# Altium PCB MB V7.PcbDoc (part 1 of 3) (continued)
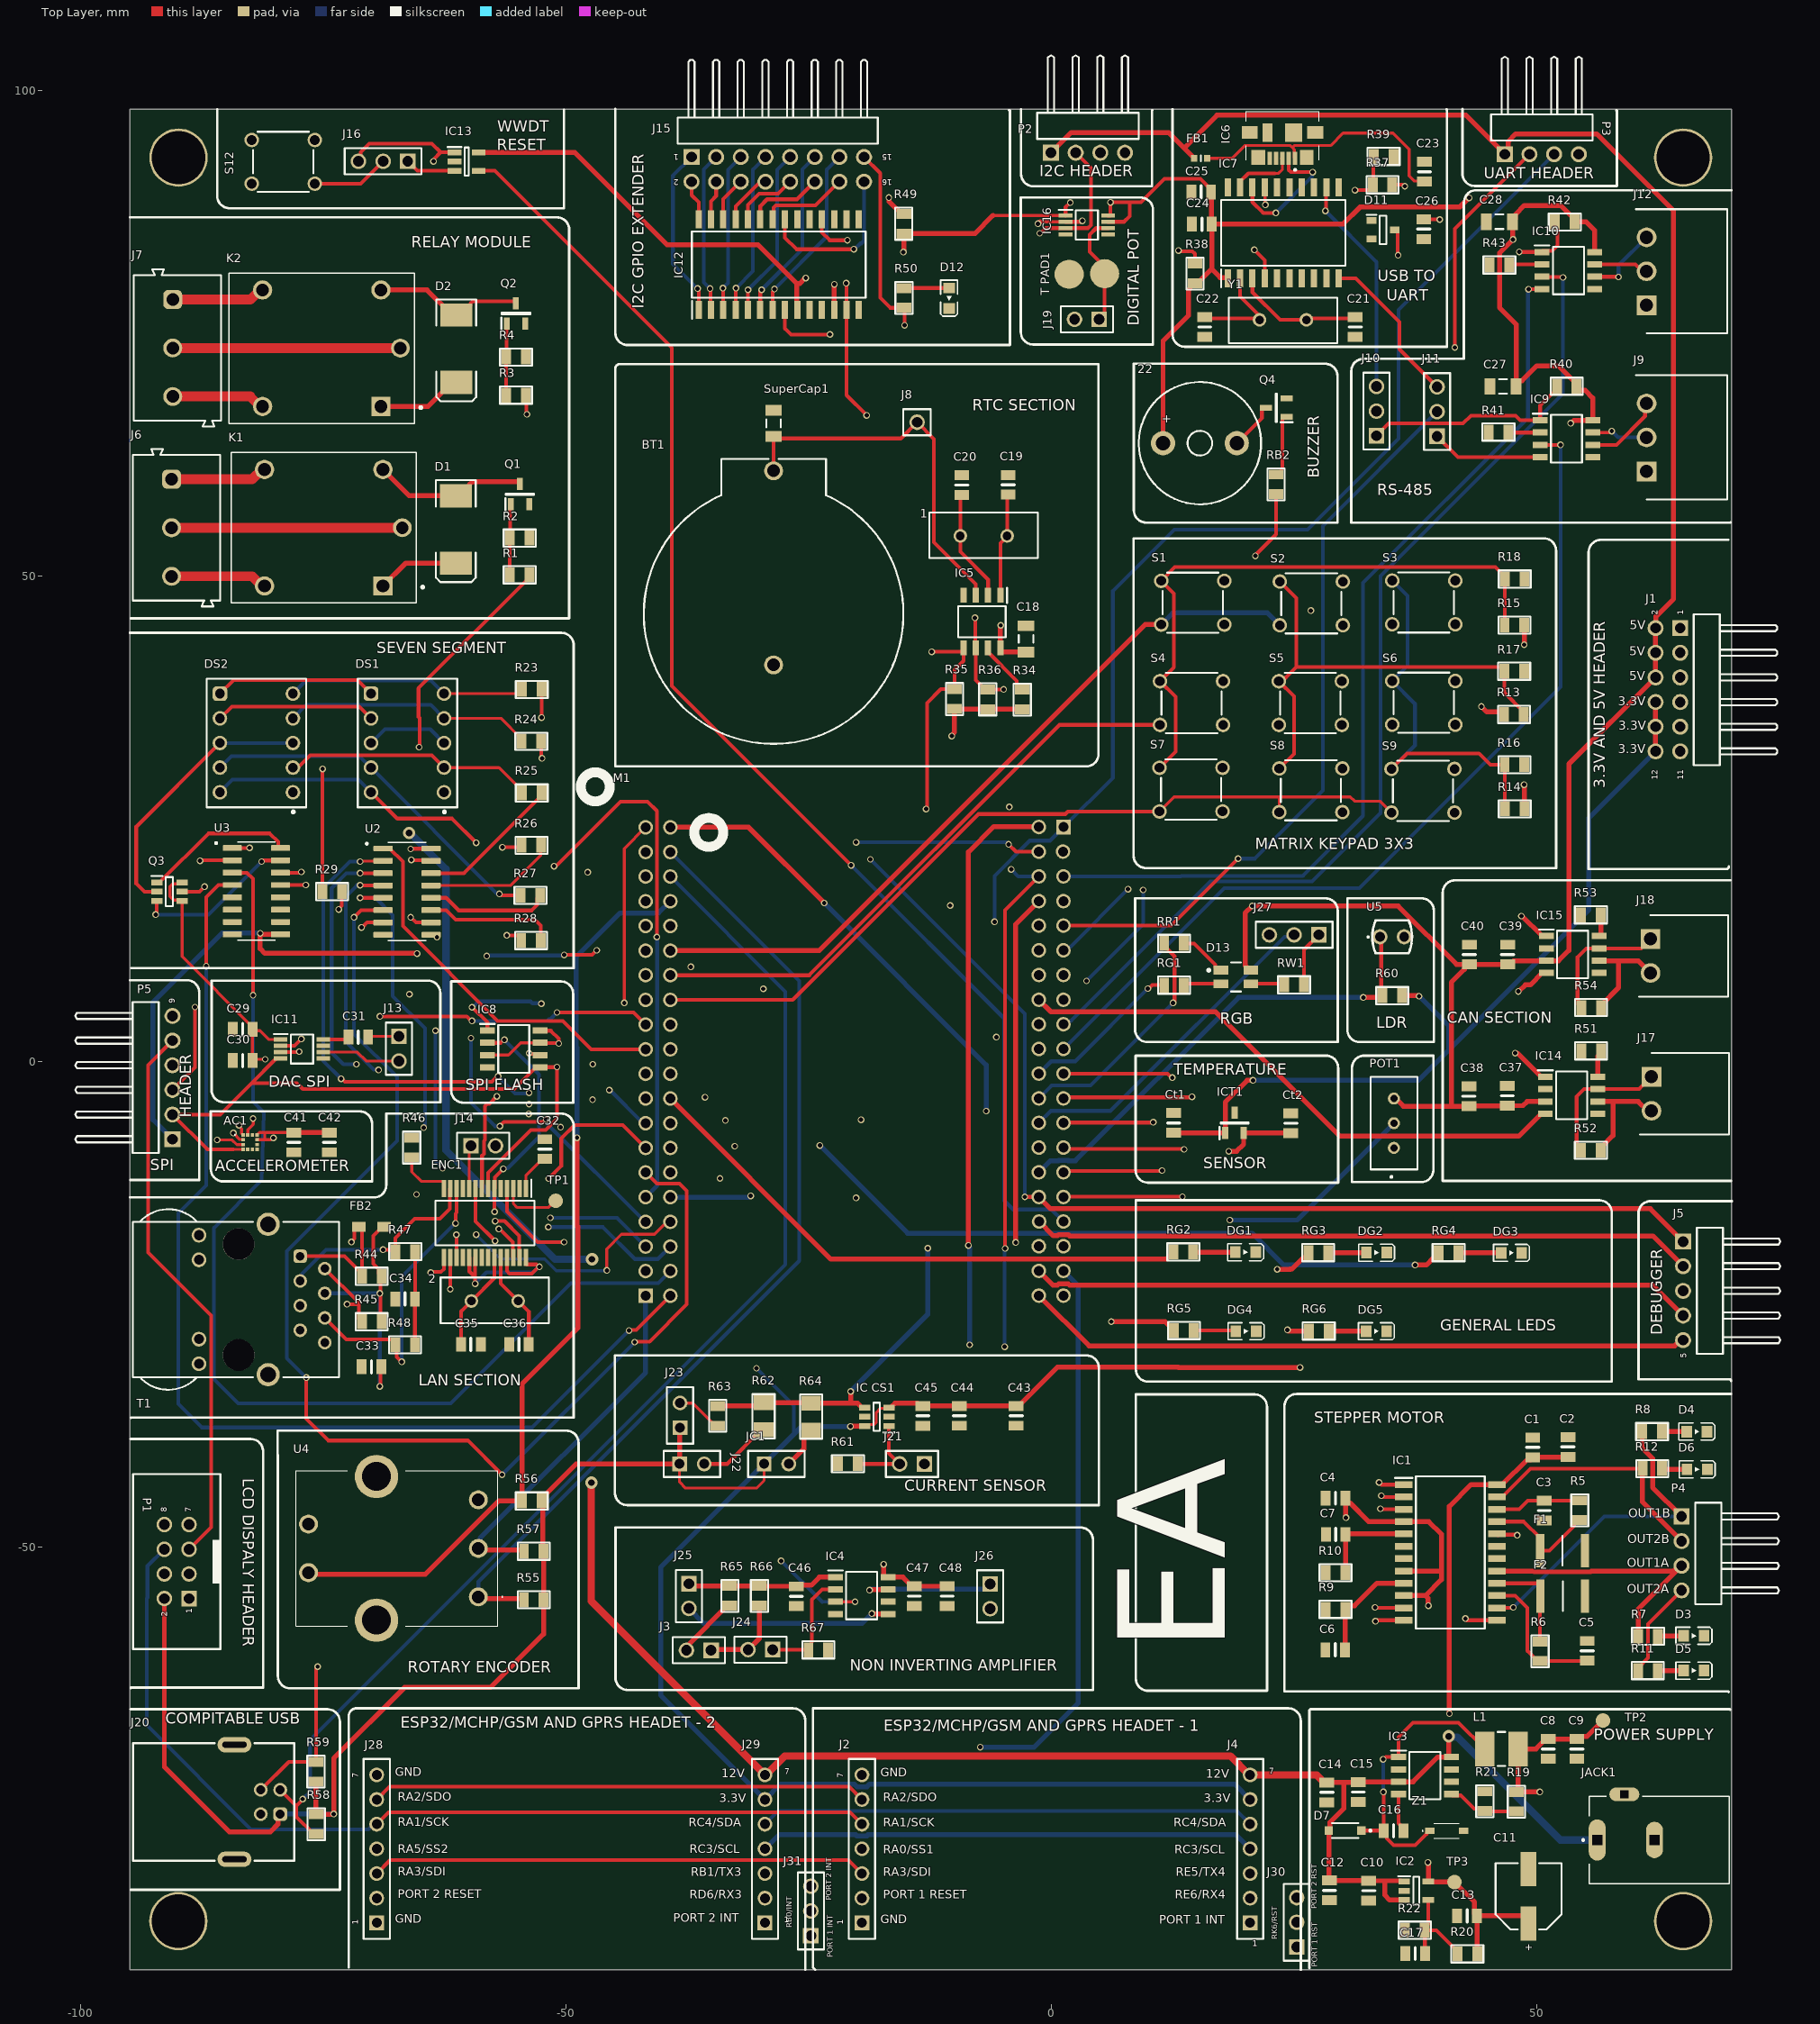
[diagram p0: Top Layer view]
## Part data
1 2 Y1: library part "Mini Crystal", "9B-64.000MBBK-B", Freq. Stability="+/- 30 ppm", Frequency="4.096 MHz", Load Capacitance="18 pF", Manufacturer=Abracon, Operating Temp. Range="-40 to 85 degC", PartNumber=ABLS2-4.096MHZ-D4Y-T, Shunt Capacitance="7 pF Max.", ComponentLink1Description="Manufacturer URL", ComponentLink1URL=http://www.abracon.com/, ComponentLink2Description=Datasheet, ComponentLink2URL=http://www.abracon.com/Resonators/ABLS2.pdf, DatasheetVersion="Rev. 03.31.11", ESR="180 Ohm", Freq. Tolerance="+/- 30 ppm", Mounting Technology="Surface Mount", Operation Mode="Fundamental or 3rd Overtone", PackageDescription="2-Pin SMD, Body 11.4 x 4.7 mm, Height 3.3 mm", PackageReference=ABLS2-2, Packing="Tape and Reel", RoHS=TRUE
22: library part Buzzer, "Buzzer 2.3khz 4-6vdc Pcb Wash", Package="Soberton Inc.", Availability=Unavailable, MF="Soberton Inc.", MP=WST-1205S, Price=None, SnapEDA_Link=https://www.snapeda.com/parts/WST-1205S/Soberton%20Inc./view-part/?ref=snap
AC1: "Accelerometer", Manufacturer_Name=STMicroelectronics, Mouser Part Number=511-LIS2DE12TR, Arrow Part Number=LIS2DE12TR, Arrow Price/Stock=https://www.arrow.com/en/products/lis2de12tr/stmicroelectronics, Datasheet Link=https://www.mouser.co.uk/datasheet/2/389/dm00153214-1798409.pdf, Height=1mm, Manufacturer_Part_Number=LIS2DE12TR, Mouser Price/Stock=https://www.mouser.co.uk/ProductDetail/STMicroelectronics/LIS2DE12TR?qs=e%2Fel81Nv5iw4m6D8fXXMWA%3D%3D
BT1: "WA-BCPH Battery Holder, THT, battery type 2450", Manufacturer="Wurth Elektronik", Operating Temperature Max=105°C, Operating Temperature Min=-40°C, Battery Type=2450, Category="Battery Holders", ComponentLink1Description="Website Link", ComponentLink1URL=https://www.we-online.com/redexpert/article/79578211?ad, ComponentLink2Description="Datasheet Link", ComponentLink2URL=https://www.we-online.com/redexpert/spec/79578211?ad, Manufacturer Part Number=79578211, Match Code=WA-BCPH, Mount="Through Hole", Packaging=Bag
C1 C4 C10 C13 C19 C20 C21 C22 C23 C24 C25 C26 C29 C30 C31 C32 C33 C34 C35 C36 C37 C38 C39 C40 C41 C42 C43 C44 C45 C47 Ct1 Ct2: library part GCD21BR71H104KA01L, "CAP CER 0.1UF 50V X7R 0805", Digi-Key Part Number=490-11955-1-ND, Manufacturer="Murata Electronics North America", Operating Temperature="-55°C ~ 125°C", Package / Case="0805 (2012 Metric)", Ratings=AEC-Q200, Temperature Coefficient=X7R, Tolerance=±10%, Voltage=50V, @ qty=0, Applications=Automotive, Datasheets=http://www.murata.com/~/media/webrenewal/support/library/catalog/products/capacitor/mlcc/c03e.ashx, Factory Stock=0, Features=-, Height - Seated (Max)=-, Image=//media.digikey.com/Renders/Murata%20Renders/0805%28GxM6%29.jpg, Lead Spacing=-, Lead Style=-, Minimum Quantity=1, Mounting Type="Surface Mount, MLCC", Packaging="Cut Tape (CT)", Part Number=GCD21BR71H104KA01L, Part Status=Active, Quantity Available=157, Series=GCD, Size / Dimension="0.079\" L x 0.049\" W (2.00mm x 1.25mm)", Thickness (Max)="0.049\" (1.25mm)", Unit Price (USD)=0.24
C2: library part GRM21BR60J107ME15L, "CAP CER 100UF 6.3V X5R 0805", Digi-Key Part Number=490-13981-1-ND, Manufacturer="Murata Electronics North America", Operating Temperature="-55°C ~ 85°C", Package / Case="0805 (2012 Metric)", Ratings=-, Temperature Coefficient=X5R, Tolerance=±20%, Voltage=6.3V, @ qty=0, Applications="General Purpose", Datasheets=http://search.murata.co.jp/Ceramy/image/img/A01X/G101/ENG/GRM21BR60J107ME15-01.pdf, Factory Stock=0, Features=-, Height - Seated (Max)=-, Image=//media.digikey.com/Renders/Murata%20Renders/0805%20(2012%20Metric)%20.85mm.jpg, Lead Spacing=-, Lead Style=-, Minimum Quantity=1, Mounting Type="Surface Mount, MLCC", Packaging="Cut Tape (CT)", Part Number=GRM21BR60J107ME15L, Part Status=Active, Quantity Available=4815, Series=GRM, Size / Dimension="0.079\" L x 0.049\" W (2.00mm x 1.25mm)", Thickness (Max)="0.057\" (1.45mm)", Unit Price (USD)=2.17
C3 C5 C6 C7: library part GRM2165C1H821JA01D, "CAP CER 820PF 50V NP0 0805", Digi-Key Part Number=490-11551-1-ND, Manufacturer="Murata Electronics North America", Operating Temperature="-55°C ~ 125°C", Package / Case="0805 (2012 Metric)", Ratings=-, Temperature Coefficient="C0G, NP0", Tolerance=±5%, Voltage=50V, @ qty=0, Applications="General Purpose", Datasheets=http://www.murata.com/~/media/webrenewal/support/library/catalog/products/capacitor/mlcc/c02e.pdf, Factory Stock=0, Features=-, Height - Seated (Max)=-, Image=//media.digikey.com/Renders/Murata%20Renders/0805%20(2012%20Metric)%20.85mm.jpg, Lead Spacing=-, Lead Style=-, Minimum Quantity=1, Mounting Type="Surface Mount, MLCC", Packaging="Cut Tape (CT)", Part Number=GRM2165C1H821JA01D, Part Status=Active, Quantity Available=17274, Series=GRM, Size / Dimension="0.079\" L x 0.049\" W (2.00mm x 1.25mm)", Thickness (Max)="0.028\" (0.70mm)", Unit Price (USD)=0.21
C8 C9 C12 C14 C15 C46: library part GCJ21BR71A106KE01L, "CAP CER 10UF 10V X7R 0805", Digi-Key Part Number=490-12646-1-ND, Manufacturer="Murata Electronics North America", Operating Temperature="-55°C ~ 125°C", Package / Case="0805 (2012 Metric)", Ratings=AEC-Q200, Temperature Coefficient=X7R, Tolerance=±10%, Voltage=10V, @ qty=0, Applications="Automotive, Boardflex Sensitive", Datasheets=http://www.murata.com/~/media/webrenewal/support/library/catalog/products/capacitor/mlcc/c03e.ashx, Factory Stock=0, Features="Soft Termination", Height - Seated (Max)=-, Image=//media.digikey.com/Renders/Murata%20Renders/0805%20(2012%20Metric)%20.85mm.jpg, Lead Spacing=-, Lead Style=-, Minimum Quantity=1, Mounting Type="Surface Mount, MLCC", Packaging="Cut Tape (CT)", Part Number=GCJ21BR71A106KE01L, Part Status=Active, Quantity Available=2702, Series=GCJ, Size / Dimension="0.079\" L x 0.049\" W (2.00mm x 1.25mm)", Thickness (Max)="0.057\" (1.45mm)", Unit Price (USD)=0.56
C11: library part 865080143009, "WCAP-ASLI SMT Aluminum Electrolytic Capacitors, D6.3mm x L5.5mm, 220uF, +/-20%, 6.3VDC", Capacitance=220uF, Capacitance Tolerance=+/-20%, Leakage Current=13.86uA, Operating Temperature="-55 to +105degC", Rated Voltage=6.3VDC, Ripple Current max.=240mA, ComponentLink1Description=Manufacturer, ComponentLink1URL=http://www.we-online.de, ComponentLink2Description=Datasheet, ComponentLink2URL=https://katalog.we-online.com/pbs/datasheet/865080143009.pdf, Diameter=6.3mm, Dissipation Factor=24%, Endurance=2000h, Length=5.5mm, Mounting Technology=SMT, Packaging="Tape and Reel", Part Number=865080143009, Published Date="August 2019", Publisher="Wurth Elektronik", Technical Reference=ASED055221M6R3DVCTBB000
C16: library part GRM21BR71C334KA01L, "CAP CER 0.33UF 16V X7R 0805", Digi-Key Part Number=490-9752-1-ND, Manufacturer="Murata Electronics North America", Operating Temperature="-55°C ~ 125°C", Package / Case="0805 (2012 Metric)", Ratings=-, Temperature Coefficient=X7R, Tolerance=±10%, Voltage=16V, @ qty=0, Applications="General Purpose", Datasheets=http://www.murata.com/~/media/webrenewal/support/library/catalog/products/capacitor/mlcc/c02e.pdf, Factory Stock=0, Features=-, Height - Seated (Max)=-, Image=//media.digikey.com/Renders/Murata%20Renders/0805%20(2012%20Metric)%20.85mm.jpg, Lead Spacing=-, Lead Style=-, Minimum Quantity=1, Mounting Type="Surface Mount, MLCC", Packaging="Cut Tape (CT)", Part Number=GRM21BR71C334KA01L, Part Status=Active, Quantity Available=4512, Series=GRM, Size / Dimension="0.079\" L x 0.049\" W (2.00mm x 1.25mm)", Thickness (Max)="0.053\" (1.35mm)", Unit Price (USD)=0.25
C17: library part GCM2165C1H471JA16D, "CAP CER 470PF 50V NP0 0805", Digi-Key Part Number=490-6056-1-ND, Manufacturer="Murata Electronics North America", Operating Temperature="-55°C ~ 125°C", Package / Case="0805 (2012 Metric)", Ratings=AEC-Q200, Temperature Coefficient="C0G, NP0", Tolerance=±5%, Voltage=50V, @ qty=0, Applications=Automotive, Datasheets=http://www.murata.com/~/media/webrenewal/support/library/catalog/products/capacitor/mlcc/c03e.ashx, Factory Stock=0, Features=-, Height - Seated (Max)=-, Image=//media.digikey.com/Renders/Murata%20Renders/0805%28GxM6%29.jpg, Lead Spacing=-, Lead Style=-, Minimum Quantity=1, Mounting Type="Surface Mount, MLCC", Packaging="Cut Tape (CT)", Part Number=GCM2165C1H471JA16D, Part Status=Active, Quantity Available=9612, Series=GCM, Size / Dimension="0.079\" L x 0.049\" W (2.00mm x 1.25mm)", Thickness (Max)="0.028\" (0.70mm)", Unit Price (USD)=0.24
C18 SuperCap1: "Capacitor (Semiconductor SIM Model)", LatestRevisionDate=29-May-2009, LatestRevisionNote="IPC-7351 Footprint Added.", PackageDescription="Chip Capacitor", PackageReference=C1206, Published=8-Jun-2000, Publisher="Altium Limited"
  SuperCap1: C93=1.5F
C27 C28: library part "Cap Semi", "Capacitor (Semiconductor SIM Model)", Part Number=C0603C100M5HACTU, LatestRevisionDate=29-May-2009, LatestRevisionNote="IPC-7351 Footprint Added.", PackageDescription="Chip Capacitor", PackageReference=C1206, Published=8-Jun-2000, Publisher="Altium Limited", Source=Mouser
C48: library part GCJ219R71C105KA01D, "CAP CER 1UF 16V X7R 0805", Digi-Key Part Number=490-5800-1-ND, Manufacturer="Murata Electronics North America", Operating Temperature="-55°C ~ 125°C", Package / Case="0805 (2012 Metric)", Ratings=AEC-Q200, Temperature Coefficient=X7R, Tolerance=±10%, Voltage=16V, @ qty=0, Applications="Automotive, Boardflex Sensitive", Datasheets=http://www.murata.com/~/media/webrenewal/support/library/catalog/products/capacitor/mlcc/c03e.ashx, Factory Stock=0, Features="Soft Termination", Height - Seated (Max)=-, Image=//media.digikey.com/Renders/Murata%20Renders/0805%20(2012%20Metric)%20.85mm.jpg, Lead Spacing=-, Lead Style=-, Minimum Quantity=1, Mounting Type="Surface Mount, MLCC", Packaging="Cut Tape (CT)", Part Number=GCJ219R71C105KA01D, Part Status=Active, Quantity Available=140338, Series=GCJ, Size / Dimension="0.079\" L x 0.049\" W (2.00mm x 1.25mm)", Thickness (Max)="0.037\" (0.95mm)", Unit Price (USD)=0.29
D1 D2: "Default Diode", Code_JEDEC=DO-214-AB, LatestRevisionDate=17-Jul-2002, LatestRevisionNote="Re-released for DXP Platform.", PackageDescription="DO-214-AB/SMC; 2 C-Bend Leads; Body 7.9 x 5.9 mm, inc. leads (LxW)", PackageReference=SMC, PackageVersion=Sep-1996, Published=8-Jun-2000, Publisher="Altium Limited"
D3 D4 D5 D6: "WL-SMCW SMD Mono-color Chip LED Waterclear, size 0805, Red", Emitting Color=Red, Forward Voltage="2 V", ComponentLink1Description=Manufacturer, ComponentLink1URL=http://www.we-online.de, ComponentLink2Description=Datasheet, ComponentLink2URL=http://katalog.we-online.de/led/datasheet/150080RS75000.pdf, Part Number=150080RS75000, Peak Wavelength="630 nm", Published Date="Jan 2017", Publisher="Wurth Elektronik", Size=0805, Viewing Angle=140°
D7: "Diode", Manufacturer_Name=Vishay, Mouser Part Number=625-1N4148W-V, Arrow Part Number=1N4148W-V-GS08, Arrow Price/Stock=https://www.arrow.com/en/products/1n4148w-v-gs08/vishay, Datasheet Link=https://us.rs-online.com/m/d/a2789c8794cb0c42ced29f2dd8571f3c.pdf, Height=1.35mm, Manufacturer_Part_Number=1N4148W-V-GS08, Mouser Price/Stock=https://www.mouser.co.uk/ProductDetail/Vishay-Semiconductors/1N4148W-V-GS08?qs=TNTIDjy6APrS%2Fdgq1RSs3A%3D%3D
D11: "BZX84Bxxx SMD Zener Diode SOT-23"
D12: "WL-SMCW SMD Mono-color Chip LED Waterclear, size 0805, Blue", Emitting Color=Blue, Forward Voltage="3.2 V", ComponentLink1Description=Manufacturer, ComponentLink1URL=http://www.we-online.de, ComponentLink2Description=Datasheet, ComponentLink2URL=http://katalog.we-online.de/led/datasheet/150080BS75000.pdf, Part Number=150080BS75000, Peak Wavelength="465 nm", Published Date="Jan 2017", Publisher="Wurth Elektronik", Size=0805, Viewing Angle=140°
D13: library part 150141M173100, "WL-SFTW Full-color TOP LED Waterclear, size 3528, Red & Green & Blue, 120°", Case/Size Code=3528, Emitting Color="Red & Green & Blue", Forward Voltage (Blue)=3.2V, Forward Voltage (Red)=2V, Manufacturer="Wurth Elektronik", Operating Temperature Max=85°C, Operating Temperature Min=-40°C, Category="Signal LEDs", Chip Technology="AlInGaP + InGaN", ComponentLink1Description="Website Link", ComponentLink1URL=https://www.we-online.com/redexpert/article/150141M173100?ad, ComponentLink2Description="Datasheet Link", ComponentLink2URL=https://www.we-online.com/redexpert/spec/150141M173100?ad, Dominant Wavelength (Blue)=470nm, Dominant Wavelength (Green)=520nm, Dominant Wavelength (Red)=625nm, Forward Voltage (Green)=3.2V, Height=1.9mm, Length=3.5mm, Luminous Intensity (Blue)=230mcd, Luminous Intensity (Green)=950mcd, Luminous Intensity (Red)=270mcd, Manufacturer Part Number=150141M173100, Match Code=WL-SFTW, Mount="Surface Mount", Packaging="Tape and Reel", Peak Wavelength (Blue)=465nm, Peak Wavelength (Green)=515nm, Peak Wavelength (Red)=635nm, Viewing Angle=120°, Width=2.8mm
DG1 DG2 DG3 DG4 DG5: "WL-SMCW SMD Mono-color Chip LED Waterclear, size 0805, Bright Green", Emitting Color="Bright Green", Forward Voltage="2 V", ComponentLink1Description=Manufacturer, ComponentLink1URL=http://www.we-online.de, ComponentLink2Description=Datasheet, ComponentLink2URL=http://katalog.we-online.de/led/datasheet/150080VS75000.pdf, Part Number=150080VS75000, Peak Wavelength="572 nm", Published Date="Jan 2017", Publisher="Wurth Elektronik", Size=0805, Viewing Angle=140°
DS1 DS2: "WL-T7DS 7 Segments Display THT Single Digit, 0.39\"/ 9.9mm, Common Anode, 38mcd, 2V, Super Red", Emitting Color="Super Red", Forward Voltage=2V, Manufacturer="Wurth Elektronik", Operating Temperature Max=85°C, Operating Temperature Min=-40°C, Category="7 Segments Display", Circuitry="Common Anode", ComponentLink1Description="Website Link", ComponentLink1URL=https://www.we-online.com/redexpert/article/157119S12801?ad, ComponentLink2Description="Datasheet Link", ComponentLink2URL=https://www.we-online.com/redexpert/spec/157119S12801?ad, Display Height="0.39\"/ 9.9mm", Height=7mm, Length=13mm, Luminous Intensity=38mcd, Manufacturer Part Number=157119S12801, Match Code=WL-T7DS, Mount="Through Hole", Packaging=Tube, Width=10mm
ENC1: "Integrated Circuit", Arrow Part Number=ENC28J60T-I/SS, Manufacturer_Name=Microchip, Mouser Part Number=579-ENC28J60T-I/SS, Arrow Price/Stock=https://www.arrow.com/en/products/enc28j60t-iss/microchip-technology?region=nac, Datasheet Link=https://mouser.componentsearchengine.com/Datasheets/2/ENC28J60T-I_SS.pdf, Height=2mm, Manufacturer_Part_Number=ENC28J60T-I/SS, Mouser Price/Stock=https://www.mouser.co.uk/ProductDetail/Microchip-Technology/ENC28J60T-I-SS?qs=0swJU7D5CoWRYqX2omYpJQ%3D%3D
F1 F2: "Fuse", Manufacturer_Name=Bourns, Mouser Part Number=652-MF-MSMF050-2, Arrow Part Number=MF-MSMF050-2, Arrow Price/Stock=https://www.arrow.com/en/products/mf-msmf050-2/bourns?region=europe, Datasheet Link=https://www.bourns.com/pdfs/mfmsmf.pdf, Manufacturer_Part_Number=MF-MSMF050-2, Mouser Price/Stock=https://www.mouser.co.uk/ProductDetail/Bourns/MF-MSMF050-2?qs=t3shhpq1i1DZ7OBD5kLNoA%3D%3D
FB1: "Ferrite Bead", Manufacturer_Name="Murata Electronics", Mouser Part Number=81-BLM18SG121TN1D, Arrow Part Number=BLM18SG121TN1D, Arrow Price/Stock=https://www.arrow.com/en/products/blm18sg121tn1d/murata-manufacturing?region=nac, Datasheet Link=http://www.murata.com/~/media/webrenewal/support/library/catalog/products/emc/emifil/c31e.ashx?la=en-gb, Height=0.75mm, Manufacturer_Part_Number=BLM18SG121TN1D, Mouser Price/Stock=https://www.mouser.co.uk/ProductDetail/Murata-Electronics/BLM18SG121TN1D?qs=OMB6gcCnelWdy%252B7xRA0fBw%3D%3D
FB2: library part 78279220321, "WE-MPSA EMI Multilayer Power Suppresion Bead, size 0805, 320Ohm, 2.5A", Case/Size Code=0805, DC Resistance=50mOhm, Manufacturer="Wurth Elektronik", Operating Temperature Max=125°C, Operating Temperature Min=-55°C, Rated Current=2.5A, Automotive=Yes, Category="Ferrites for PCB Assembly", ComponentLink1Description="Website Link", ComponentLink1URL=https://www.we-online.com/redexpert/article/78279220321?ad, ComponentLink2Description="Datasheet Link", ComponentLink2URL=https://www.we-online.com/redexpert/spec/78279220321?ad, ComponentLink3Description=digikey, ComponentLink3URL=https://www.digikey.in/en/products/detail/laird-signal-integrity-products/MI0805L301R-10/806630, Height=0.9mm, Impedance @100MHz=320Ohm, Impedance Max=347Ohm, Length=2mm, Manufacturer Part Number=78279220321, Match Code=WE-MPSA, Mount="Surface Mount", Packaging="Tape and Reel", Type="High Current", Width=1.2mm
IC1: library part MTS2916A-HGC1, "Integrated Circuit", Manufacturer_Name=Microchip, Mouser Part Number=579-MTS2916A-HGC1, Arrow Part Number=MTS2916A-HGC1, Arrow Price/Stock=https://www.arrow.com/en/products/mts2916a-hgc1/microchip-technology?region=nac, Datasheet Link=http://ww1.microchip.com/downloads/en/DeviceDoc/22259C.pdf, Height=2.642mm, Manufacturer_Part_Number=MTS2916A-HGC1, Mouser Price/Stock=https://www.mouser.co.uk/ProductDetail/Microchip-Technology/MTS2916A-HGC1?qs=gdymDg%2FOn%252BFGBMeCto2zTQ%3D%3D
IC2: library part MIC5207, "Integrated Circuit", Manufacturer_Name=Microchip, Datasheet Link=https://ww1.microchip.com/downloads/aemDocuments/documents/OTH/ProductDocuments/DataSheets/MIC5207-180mA-Low-Noise-LDO-Regulator-DS20005719B.pdf, Height=1.3mm, Manufacturer_Part_Number=MIC5207
IC3: "Integrated Circuit", Manufacturer_Name="Rochester Electronics", Datasheet Link=https://4donline.ihs.com/images/VipMasterIC/IC/RSEL/RSELS18597/RSELS19923-1.pdf?hkey=EF798316E3902B6ED9A73243A3159BB0, Height=1.73mm, Manufacturer_Part_Number=MIC4684BM
IC4: "Integrated Circuit", Arrow Part Number=MCP607-I/SN, Manufacturer_Name=Microchip, Mouser Part Number=579-MCP607-I/SN, Arrow Price/Stock=https://www.arrow.com/en/products/mcp607-isn/microchip-technology?region=nac, Datasheet Link=http://ww1.microchip.com/downloads/en/DeviceDoc/11177f.pdf, Height=1.75mm, Manufacturer_Part_Number=MCP607-I/SN, Mouser Price/Stock=https://www.mouser.co.uk/ProductDetail/Microchip-Technology/MCP607-I-SN/?qs=Ux5rHyN1IXQVM1mIseVI1A%3D%3D
IC5: "Integrated Circuit", Arrow Part Number=MCP79402-I/SN, Manufacturer_Name=Microchip, Mouser Part Number=579-MCP79402ISN, Arrow Price/Stock=https://www.arrow.com/en/products/mcp79402-isn/microchip-technology, Datasheet Link=https://componentsearchengine.com/Datasheets/2/MCP79402-I_SN.pdf, Height=1.75mm, Manufacturer_Part_Number=MCP79402-I/SN, Mouser Price/Stock=https://www.mouser.co.uk/ProductDetail/Microchip-Technology-Atmel/MCP79402-I-SN?qs=ggQiQSXuoRVK%2FFI6ElTaZQ%3D%3D
IC6: library part 0473461001, "Connector", Manufacturer_Name=Molex, Mouser Part Number=N/A, Arrow Part Number=0473461001, Arrow Price/Stock=https://www.arrow.com/en/products/0473461001/molex?region=nac, Datasheet Link=https://componentsearchengine.com/Datasheets/1/0473461001.pdf, Height=2.45mm, Manufacturer_Part_Number=0473461001, Mouser Price/Stock=https://www.mouser.co.uk/ProductDetail/Molex/0473461001?qs=2bnkQPT%252BPafTZgGVt%2FOGfA%3D%3D
IC7: "Integrated Circuit", Arrow Part Number=MCP2200-I/SO, Manufacturer_Name=Microchip, Mouser Part Number=579-MCP2200-I/SO, Arrow Price/Stock=https://www.arrow.com/en/products/mcp2200-iso/microchip-technology?region=nac, Datasheet Link=https://datasheet.datasheetarchive.com/originals/distributors/Datasheets-DGA2/214544.pdf, Height=2.65mm, Manufacturer_Part_Number=MCP2200-I/SO, Mouser Price/Stock=https://www.mouser.co.uk/ProductDetail/Microchip-Technology-Atmel/MCP2200-I-SO?qs=kI7nsUnms46fN8L9VZlJCA%3D%3D
IC8: "Integrated Circuit", Manufacturer_Name=Microchip, Mouser Part Number=804-25VF512A3CSAE, Arrow Part Number=SST25VF512A-33-4C-SAE, Arrow Price/Stock=https://www.arrow.com/en/products/sst25vf512a-33-4c-sae/microchip-technology?region=nac, Datasheet Link=http://ww1.microchip.com/downloads/en/DeviceDoc/25090A.pdf, Height=1.75mm, Manufacturer_Part_Number=SST25VF512A-33-4C-SAE, Mouser Price/Stock=https://www.mouser.co.uk/ProductDetail/Microchip-Technology/SST25VF512A-33-4C-SAE?qs=sPPKN8MmjErx4W822Eh6pg%3D%3D
IC9 IC10: "Integrated Circuit", Manufacturer_Name="Texas Instruments", Mouser Part Number=595-THVD1450D, Arrow Part Number=THVD1450D, Arrow Price/Stock=https://www.arrow.com/en/products/thvd1450d/texas-instruments?region=nac, Datasheet Link=http://www.ti.com/lit/gpn/THVD1450, Height=1.75mm, Manufacturer_Part_Number=THVD1450D, Mouser Price/Stock=https://www.mouser.co.uk/ProductDetail/Texas-Instruments/THVD1450D?qs=chTDxNqvsylemUKR9F4kpw%3D%3D
IC11: "Integrated Circuit", Arrow Part Number=MCP4822-E/MS, Manufacturer_Name=Microchip, Mouser Part Number=579-MCP4822-E/MS, Arrow Price/Stock=https://www.arrow.com/en/products/mcp4822-ems/microchip-technology?region=europe, Datasheet Link=https://datasheet.datasheetarchive.com/originals/distributors/Datasheets-DGA17/911642.pdf, Height=1.1mm, Manufacturer_Part_Number=MCP4822-E/MS, Mouser Price/Stock=https://www.mouser.co.uk/ProductDetail/Microchip-Technology/MCP4822-E-MS?qs=usxtMOJb1Rzc5xsp0Zr6iQ%3D%3D
IC12: "Integrated Circuit", Arrow Part Number=MCP23017T-E/SO, Manufacturer_Name=Microchip, Mouser Part Number=579-MCP23017T-E/SO, Arrow Price/Stock=https://www.arrow.com/en/products/mcp23017t-eso/microchip-technology?region=nac, Datasheet Link=http://ww1.microchip.com/downloads/en/DeviceDoc/20001952C.pdf, Height=2.65mm, Manufacturer_Part_Number=MCP23017T-E/SO, Mouser Price/Stock=https://www.mouser.co.uk/ProductDetail/Microchip-Technology/MCP23017T-E-SO?qs=usxtMOJb1RylPfT%252BJtgE3Q%3D%3D
IC13: "Integrated Circuit", Arrow Part Number=MCP1320T-25LE/OT, Manufacturer_Name=Microchip, Mouser Part Number=579-MCP1320T-25LE/OT, Arrow Price/Stock=https://www.arrow.com/en/products/mcp1320t-25leot/microchip-technology?region=nac, Datasheet Link=https://www.arrow.com/en/products/mcp1320t-25leot/microchip-technology, Height=1.45mm, Manufacturer_Part_Number=MCP1320T-25LE/OT, Mouser Price/Stock=https://www.mouser.co.uk/ProductDetail/Microchip-Technology-Atmel/MCP1320T-25LE-OT?qs=Cv1v43EOJpq3RWxPEZurKg%3D%3D
IC14 IC15: "Integrated Circuit", Arrow Part Number=MCP2551-E/SN, Manufacturer_Name=Microchip, Mouser Part Number=579-MCP2551-E/SN, Arrow Price/Stock=https://www.arrow.com/en/products/mcp2551-esn/microchip-technology, Datasheet Link=https://datasheet.datasheetarchive.com/originals/distributors/SFDatasheet-4/sf-00090061.pdf, Height=1.75mm, Manufacturer_Part_Number=MCP2551-E/SN, Mouser Price/Stock=https://www.mouser.co.uk/ProductDetail/Microchip-Technology/MCP2551-E-SN?qs=Vn0zuzr35GHkGDCgnw0F9A%3D%3D
IC16: "Integrated Circuit", Arrow Part Number=MCP4561-103E/MS, Manufacturer_Name=Microchip, Mouser Part Number=579-MCP4561-103E/MS, Arrow Price/Stock=https://www.arrow.com/en/products/mcp4561-103ems/microchip-technology?region=nac, Datasheet Link=http://ww1.microchip.com/downloads/en/DeviceDoc/22107B.pdf, Height=1.1mm, Manufacturer_Part_Number=MCP4561-103E/MS, Mouser Price/Stock=https://www.mouser.co.uk/ProductDetail/Microchip-Technology/MCP4561-103E-MS?qs=hH%252BOa0VZEiBcchYhgnCL5Q%3D%3D
"IC CS1": "Integrated Circuit", Arrow Part Number=MCP6C02T-020E/CHY, Manufacturer_Name=Microchip, Mouser Part Number=579-MCP6C02T020ECHY, Arrow Price/Stock=https://www.arrow.com/en/products/mcp6c02t-020echy/microchip-technology?region=nac, Datasheet Link=https://www.arrow.com/en/products/mcp6c02t-020echy/microchip-technology, Height=1.45mm, Manufacturer_Part_Number=MCP6C02T-020E/CHY, Mouser Price/Stock=https://www.mouser.co.uk/ProductDetail/Microchip-Technology/MCP6C02T-020E-CHY?qs=PqoDHHvF64%2FP1agGSWWLsQ%3D%3D
ICT1: "Integrated Circuit", Arrow Part Number=MCP9700T-E/TT, Manufacturer_Name=Microchip, Mouser Part Number=579-MCP9700T-E/TT, Arrow Price/Stock=https://www.arrow.com/en/products/mcp9700t-ett/microchip-technology?region=nac, Datasheet Link=https://datasheet.datasheetarchive.com/originals/distributors/Datasheets-DGA2/179941.pdf, Height=1.12mm, Manufacturer_Part_Number=MCP9700T-E/TT, Mouser Price/Stock=https://www.mouser.co.uk/ProductDetail/Microchip-Technology/MCP9700T-E-TT?qs=QVBMgXxBiLyzQ04uBGj3mg%3D%3D
J1: "WR-PHD Pin Header, THT, pitch 2.54mm, Dual Row, Angled, 12pin", Contact Resistance=20mOhm, Operating Temperature="-40 to +105degC", Rated Current=3A, Withstanding Voltage=500VAC, Working Voltage=250VAC, ComponentLink1Description=Manufacturer, ComponentLink1URL=http://www.we-online.de, ComponentLink2Description=Datasheet, ComponentLink2URL=https://katalog.we-online.de/em/datasheet/6130xx21021.pdf, Gender=Male, Mounting Technology=THT, Orientation=Angled, Packaging=Bag, Part Number=61301221021, Pin Number=12, Pitch=2.54mm, Published Date="June 2019", Publisher="Wurth Elektronik", Row Number=Dual
J2 J4 J28 J29: "WR-PHD Socket Header, THT, pitch 2.54mm, Single Row, Vertical, 7pin", Contact Resistance=20mOhm, Operating Temperature="-40 to +125degC", Rated Current=3A, Withstanding Voltage=500VAC, Working Voltage=250VAC, ComponentLink1Description=Manufacturer, ComponentLink1URL=http://www.we-online.de, ComponentLink2Description=Datasheet, ComponentLink2URL=https://katalog.we-online.de/em/datasheet/6130xx11821.pdf, Gender=Female, Mounting Technology=THT, Orientation=Vertical, Packaging=Tray, Part Number=61300711821, Pin Number=7, Pitch=2.54mm, Published Date="June 2019", Publisher="Wurth Elektronik", Row Number=Single
J3 J13 J14 J19 J21 J24 J25 J26: "WR-PHD Pin Header, THT, pitch 2.54mm, Single Row, Vertical, 2pin", Contact Resistance=20mOhm, Operating Temperature="-40 to +105degC", Rated Current=3A, Withstanding Voltage=500VAC, Working Voltage=250VAC, ComponentLink1Description=Manufacturer, ComponentLink1URL=http://www.we-online.de, ComponentLink2Description=Datasheet, ComponentLink2URL=https://katalog.we-online.de/em/datasheet/6130xx11121.pdf, Gender=Male, Mounting Technology=THT, Orientation=Vertical, Packaging=Bag, Part Number=61300211121, Pin Number=2, Pitch=2.54mm, Published Date="June 2019", Publisher="Wurth Elektronik", Row Number=Single
J5: "WR-PHD Pin Header, THT, pitch 2.54mm, Single Row, Angled, 5pin", Contact Resistance=20mOhm, Operating Temperature="-40 to +105degC", Rated Current=3A, Withstanding Voltage=500VAC, Working Voltage=250VAC, ComponentLink1Description=Manufacturer, ComponentLink1URL=http://www.we-online.de, ComponentLink2Description=Datasheet, ComponentLink2URL=https://katalog.we-online.de/em/datasheet/6130xx11021.pdf, Gender=Male, Mounting Technology=THT, Orientation=Angled, Packaging=Bag, Part Number=61300511021, Pin Number=5, Pitch=2.54mm, Published Date="June 2019", Publisher="Wurth Elektronik", Row Number=Single
J6 J7: "WR-TBL Series 101 Horizontal Entry Modular, THT, pitch 5mm, 3p", Manufacturer="Wurth Elektronik", Operating Temperature Max=105°C, Operating Temperature Min=-40°C, Rated Current=16A, Working Voltage=250V, Application="Pressure Clamp", Category="Terminal Blocks", ComponentLink1Description="Website Link", ComponentLink1URL=https://www.we-online.com/redexpert/article/691101710003?ad, ComponentLink2Description="Datasheet Link", ComponentLink2URL=https://www.we-online.com/redexpert/spec/691101710003?ad, Manufacturer Part Number=691101710003, Match Code=WR-TBL, Modularity=Yes, Mount="Through Hole", Number of Pins=3, Number of Rows=1, Orientation=Horizontal, Packaging=Box, Pitch=5mm
J8: "WR-PHD Pin Header, THT, pitch 2.54mm, Single Row, Vertical, 1pin", Contact Resistance=20mOhm, Operating Temperature="-40 to +105degC", Rated Current=3A, Withstanding Voltage=500VAC, Working Voltage=250VAC, ComponentLink1Description=Manufacturer, ComponentLink1URL=http://www.we-online.de, ComponentLink2Description=Datasheet, ComponentLink2URL=https://katalog.we-online.de/em/datasheet/6130xx11121.pdf, Gender=Male, Mounting Technology=THT, Orientation=Vertical, Packaging=Bag, Part Number=61300111121, Pin Number=1, Pitch=2.54mm, Published Date="June 2019", Publisher="Wurth Elektronik", Row Number=Single
J9 J12: "Connector", Manufacturer_Name="TE Connectivity", Mouser Part Number=571-284512-3, Arrow Part Number=284512-3, Arrow Price/Stock=https://www.arrow.com/en/products/284512-3/te-connectivity?region=nac, Datasheet Link=https://www.te.com/commerce/DocumentDelivery/DDEController?Action=showdoc&DocId=Customer+Drawing%7F284512%7FE4%7Fpdf%7FEnglish%7FENG_CD_284512_E4.pdf%7F284512-3, Height=7.45mm, Manufacturer_Part_Number=284512-3, Mouser Price/Stock=https://www.mouser.co.uk/ProductDetail/TE-Connectivity/284512-3?qs=woBvfblj%2Fzwah7g8QvojCQ%3D%3D
J10 J11 J16 J27 J30 J31: "WR-PHD Pin Header, THT, pitch 2.54mm, Single Row, Vertical, 3pin", Contact Resistance=20mOhm, Operating Temperature="-40 to +105degC", Rated Current=3A, Withstanding Voltage=500VAC, Working Voltage=250VAC, ComponentLink1Description=Manufacturer, ComponentLink1URL=http://www.we-online.de, ComponentLink2Description=Datasheet, ComponentLink2URL=https://katalog.we-online.de/em/datasheet/6130xx11121.pdf, Gender=Male, Mounting Technology=THT, Orientation=Vertical, Packaging=Bag, Part Number=61300311121, Pin Number=3, Pitch=2.54mm, Published Date="June 2019", Publisher="Wurth Elektronik", Row Number=Single
J15: "WR-PHD Pin Header, THT, pitch 2.54mm, Dual Row, Angled, 16pin", Contact Resistance=20mOhm, Operating Temperature="-40 to +105degC", Rated Current=3A, Withstanding Voltage=500VAC, Working Voltage=250VAC, ComponentLink1Description=Manufacturer, ComponentLink1URL=http://www.we-online.de, ComponentLink2Description=Datasheet, ComponentLink2URL=https://katalog.we-online.de/em/datasheet/6130xx21021.pdf, Gender=Male, Mounting Technology=THT, Orientation=Angled, Packaging=Bag, Part Number=61301621021, Pin Number=16, Pitch=2.54mm, Published Date="June 2019", Publisher="Wurth Elektronik", Row Number=Dual
J17 J18: "Connector", Manufacturer_Name="Phoenix Contact", Mouser Part Number=651-1844210, Arrow Part Number=1844210, Arrow Price/Stock=https://www.arrow.com/en/products/1844210/phoenix-contact?region=nac, Datasheet Link=http://www.phoenixcontact.com/gb/produkte/1844210, Height=8.25mm, Manufacturer_Part_Number=1844210, Mouser Price/Stock=https://www.mouser.co.uk/ProductDetail/Phoenix-Contact/1844210?qs=8BCRtFWWXORb3OQRdxIGVQ%3D%3D
J20: "WR-COM USB 2.0 Type B Horizontal THR", Manufacturer="Wurth Elektronik", Operating Temperature Max=85°C, Operating Temperature Min=-55°C, Rated Current=1.5A, Working Voltage="30V (AC)", Application="USB 2.0", Category="Input/Output Connectors", ComponentLink1Description="Website Link", ComponentLink1URL=https://www.we-online.com/redexpert/article/61410416121R?ad, ComponentLink2Description="Datasheet Link", ComponentLink2URL=https://www.we-online.com/redexpert/spec/61410416121R?ad, Gender=Receptacle, Interface Type="Type B", Manufacturer Part Number=61410416121R, Match Code=WR-USB, Mount="Surface Mount", Number of Pins=4, Number of Ports=1, Orientation=Horizontal, Packaging="Tape and Reel"
J22 J23 JC1: "WR-PHD Socket Header, THT, pitch 2.54mm, Single Row, Vertical, 2pin", Contact Resistance=20mOhm, Operating Temperature="-40 to +125degC", Rated Current=3A, Withstanding Voltage=500VAC, Working Voltage=250VAC, ComponentLink1Description=Manufacturer, ComponentLink1URL=http://www.we-online.de, ComponentLink2Description=Datasheet, ComponentLink2URL=https://katalog.we-online.de/em/datasheet/6130xx11821.pdf, Gender=Female, Mounting Technology=THT, Orientation=Vertical, Packaging=Tray, Part Number=61300211821, Pin Number=2, Pitch=2.54mm, Published Date="June 2019", Publisher="Wurth Elektronik", Row Number=Single
L1: library part 744045680, "WE-LQ SMT Inductor, size 1812, 68uH, 0.33A", DC Resistance max.=2.1Ohm, Inductance=68uH, Manufacturer="Wurth Elektronik", Operating Temperature="-40 to +125degC", Rated Current=0.33A, Saturation Current=0.61A, Self Resonant Frequency=15MHz, ComponentLink1Description=Manufacturer, ComponentLink1URL=http://www.we-online.de, ComponentLink2Description=Datasheet, ComponentLink2URL=https://www.we-online.com/catalog/datasheet/744045680.pdf, Manufacturer Part Number=744045680, Mounting Technology=SMT, Packaging="Tape and Reel", Published Date="April 2020", Q-Factor=55, Size=1812
M1: "MCU CARD -PIC18F97J94 FOR mother board"
P1: "Male Box Header WR-BHD, THT, Vertical, pitch 2.54 mm, 8 pins", Contact Resistance="20 mOhm", Operating Temperature="-40 to 125 degC", Withstanding Voltage="500 VAC", Working Voltage="250 VAC", ComponentLink1Description=Manufacturer, ComponentLink1URL=http://www.we-online.de, ComponentLink2Description=Datasheet, ComponentLink2URL=https://katalog.we-online.de/em/datasheet/6120xx21621.pdf, Gender=Male, Mounting Technology=THT, Orientation=Vertical, Packaging=Tray, Part Number=61200821621, Pin Number=8, Pitch="2.54 mm", Published Date="August 2018", Publisher="Wurth Elektronik"
P2 P3 P4: "WR-PHD Pin Header, THT, pitch 2.54mm, Single Row, Angled, 4pin", Contact Resistance=20mOhm, Operating Temperature="-40 to +105degC", Rated Current=3A, Withstanding Voltage=500VAC, Working Voltage=250VAC, ComponentLink1Description=Manufacturer, ComponentLink1URL=http://www.we-online.de, ComponentLink2Description=Datasheet, ComponentLink2URL=https://katalog.we-online.de/em/datasheet/6130xx11021.pdf, Gender=Male, Mounting Technology=THT, Orientation=Angled, Packaging=Bag, Part Number=61300411021, Pin Number=4, Pitch=2.54mm, Published Date="June 2019", Publisher="Wurth Elektronik", Row Number=Single
P5: "WR-PHD Pin Header, THT, pitch 2.54mm, Single Row, Angled, 6pin", Contact Resistance=20mOhm, Operating Temperature="-40 to +105degC", Rated Current=3A, Withstanding Voltage=500VAC, Working Voltage=250VAC, ComponentLink1Description=Manufacturer, ComponentLink1URL=http://www.we-online.de, ComponentLink2Description=Datasheet, ComponentLink2URL=https://katalog.we-online.de/em/datasheet/6130xx11021.pdf, Gender=Male, Mounting Technology=THT, Orientation=Angled, Packaging=Bag, Part Number=61300611021, Pin Number=6, Pitch=2.54mm, Published Date="June 2019", Publisher="Wurth Elektronik", Row Number=Single
POT1: "Resistor", Manufacturer_Name=Bourns, Mouser Part Number=652-3296W-1-101LF, Arrow Part Number=3296W-1-101LF, Arrow Price/Stock=https://www.arrow.com/en/products/3296w-1-101lf/bourns?region=nac, Datasheet Link=https://www.bourns.com/pdfs/3296.pdf, Manufacturer_Part_Number=3296W-1-101LF, Mouser Price/Stock=https://www.mouser.co.uk/ProductDetail/Bourns/3296W-1-101LF?qs=UcU9LKO1dwEefwKxVJG4Jw%3D%3D
Q1 Q2 Q4: library part S12302DS, "S12302DS Nchanel SMD SOT-23. VDS MAX 20. 400Ma DI"
Q3: "MOSFET (P-Channel)", Manufacturer_Name="Diodes Inc.", Mouser Part Number=621-DMP2240UDM-7, Arrow Part Number=DMP2240UDM-7, Arrow Price/Stock=https://www.arrow.com/en/products/dmp2240udm-7/diodes-incorporated?region=nac, Datasheet Link=https://www.diodes.com/assets/Datasheets/ds31197.pdf, Height=1.4mm, Manufacturer_Part_Number=DMP2240UDM-7, Mouser Price/Stock=https://www.mouser.co.uk/ProductDetail/Diodes-Incorporated/DMP2240UDM-7?qs=mno522deGfakW12JLK9H1A%3D%3D
R1 R2 R3 R4 R5 R6 R16 R17 R18 R23 R24 R25 R26 R27 R28 R29 R34 R35 R36 R37 R38 R39 R40 R41 R42 R43 R49 R50 R51 R52 R53 R54 R55 R56 R57 R58 R59 R60 RB2 RG1 RG2 RG3 RG4 RG5 RG6 RR1 RW1: library part ERJ-6ENF1001V, "RES SMD 1K OHM 1% 1/8W 0805", Digi-Key Part Number=P1.00KCCT-ND, Manufacturer="Panasonic Electronic Components", Operating Temperature="-55°C ~ 155°C", Package / Case="0805 (2012 Metric)", Power (Watts)="0.125W, 1/8W", Supplier Device Package=0805, Temperature Coefficient=±100ppm/°C, Tolerance=±1%, @ qty=1500, Composition="Thick Film", Datasheets=http://industrial.panasonic.com/www-cgi/jvcr13pz.cgi?E+PZ+3+AOA0002+ERJ6ENF1001V+7+WW, Factory Stock=0, Failure Rate=-, Features="Automotive AEC-Q200", Height - Seated (Max)="0.028\" (0.70mm)", Image=//media.digikey.com/Renders/Panasonic%20Renders/ERJ-0805%20Pkg.jpg, Minimum Quantity=1, Number of Terminations=2, Packaging="Cut Tape (CT)", Part Number=ERJ-6ENF1001V, Part Status=Active, Quantity Available=12895103, Series=ERJ, Size / Dimension="0.079\" L x 0.049\" W (2.00mm x 1.25mm)", Unit Price (USD)=0.00729
R7 R8 R11 R12: library part ERJ-6GEYJ472V, "RES SMD 4.7K OHM 5% 1/8W 0805", Digi-Key Part Number=P4.7KACT-ND, Manufacturer="Panasonic Electronic Components", Operating Temperature="-55°C ~ 155°C", Package / Case="0805 (2012 Metric)", Power (Watts)="0.125W, 1/8W", Supplier Device Package=0805, Temperature Coefficient=±200ppm/°C, Tolerance=±5%, @ qty=1500, Composition="Thick Film", Datasheets=http://industrial.panasonic.com/www-cgi/jvcr13pz.cgi?E+PZ+3+AOA0001+ERJ6GEYJ472V+7+WW, Factory Stock=0, Failure Rate=-, Features="Automotive AEC-Q200", Height - Seated (Max)="0.028\" (0.70mm)", Image=//media.digikey.com/Renders/Panasonic%20Renders/ERJ-0805%20Pkg.jpg, Minimum Quantity=1, Number of Terminations=2, Packaging="Cut Tape (CT)", Part Number=ERJ-6GEYJ472V, Part Status=Active, Quantity Available=392030, Series=ERJ, Size / Dimension="0.079\" L x 0.049\" W (2.00mm x 1.25mm)", Unit Price (USD)=0.00496
R9 R10: library part ERJ-6ENF5602V, "RES SMD 56K OHM 1% 1/8W 0805", Digi-Key Part Number=P56.0KCCT-ND, Manufacturer="Panasonic Electronic Components", Operating Temperature="-55°C ~ 155°C", Package / Case="0805 (2012 Metric)", Power (Watts)="0.125W, 1/8W", Supplier Device Package=0805, Temperature Coefficient=±100ppm/°C, Tolerance=±1%, @ qty=1500, Composition="Thick Film", Datasheets=http://industrial.panasonic.com/www-cgi/jvcr13pz.cgi?E+PZ+3+AOA0002+ERJ6ENF5602V+7+WW, Factory Stock=0, Failure Rate=-, Features="Automotive AEC-Q200", Height - Seated (Max)="0.028\" (0.70mm)", Image=//media.digikey.com/Renders/Panasonic%20Renders/ERJ-0805%20Pkg.jpg, Minimum Quantity=1, Number of Terminations=2, Packaging="Cut Tape (CT)", Part Number=ERJ-6ENF5602V, Part Status=Active, Quantity Available=45768, Series=ERJ, Size / Dimension="0.079\" L x 0.049\" W (2.00mm x 1.25mm)", Unit Price (USD)=0.00729